# KiCad board d4_small_pcb_panel.kicad_pcb (continued)
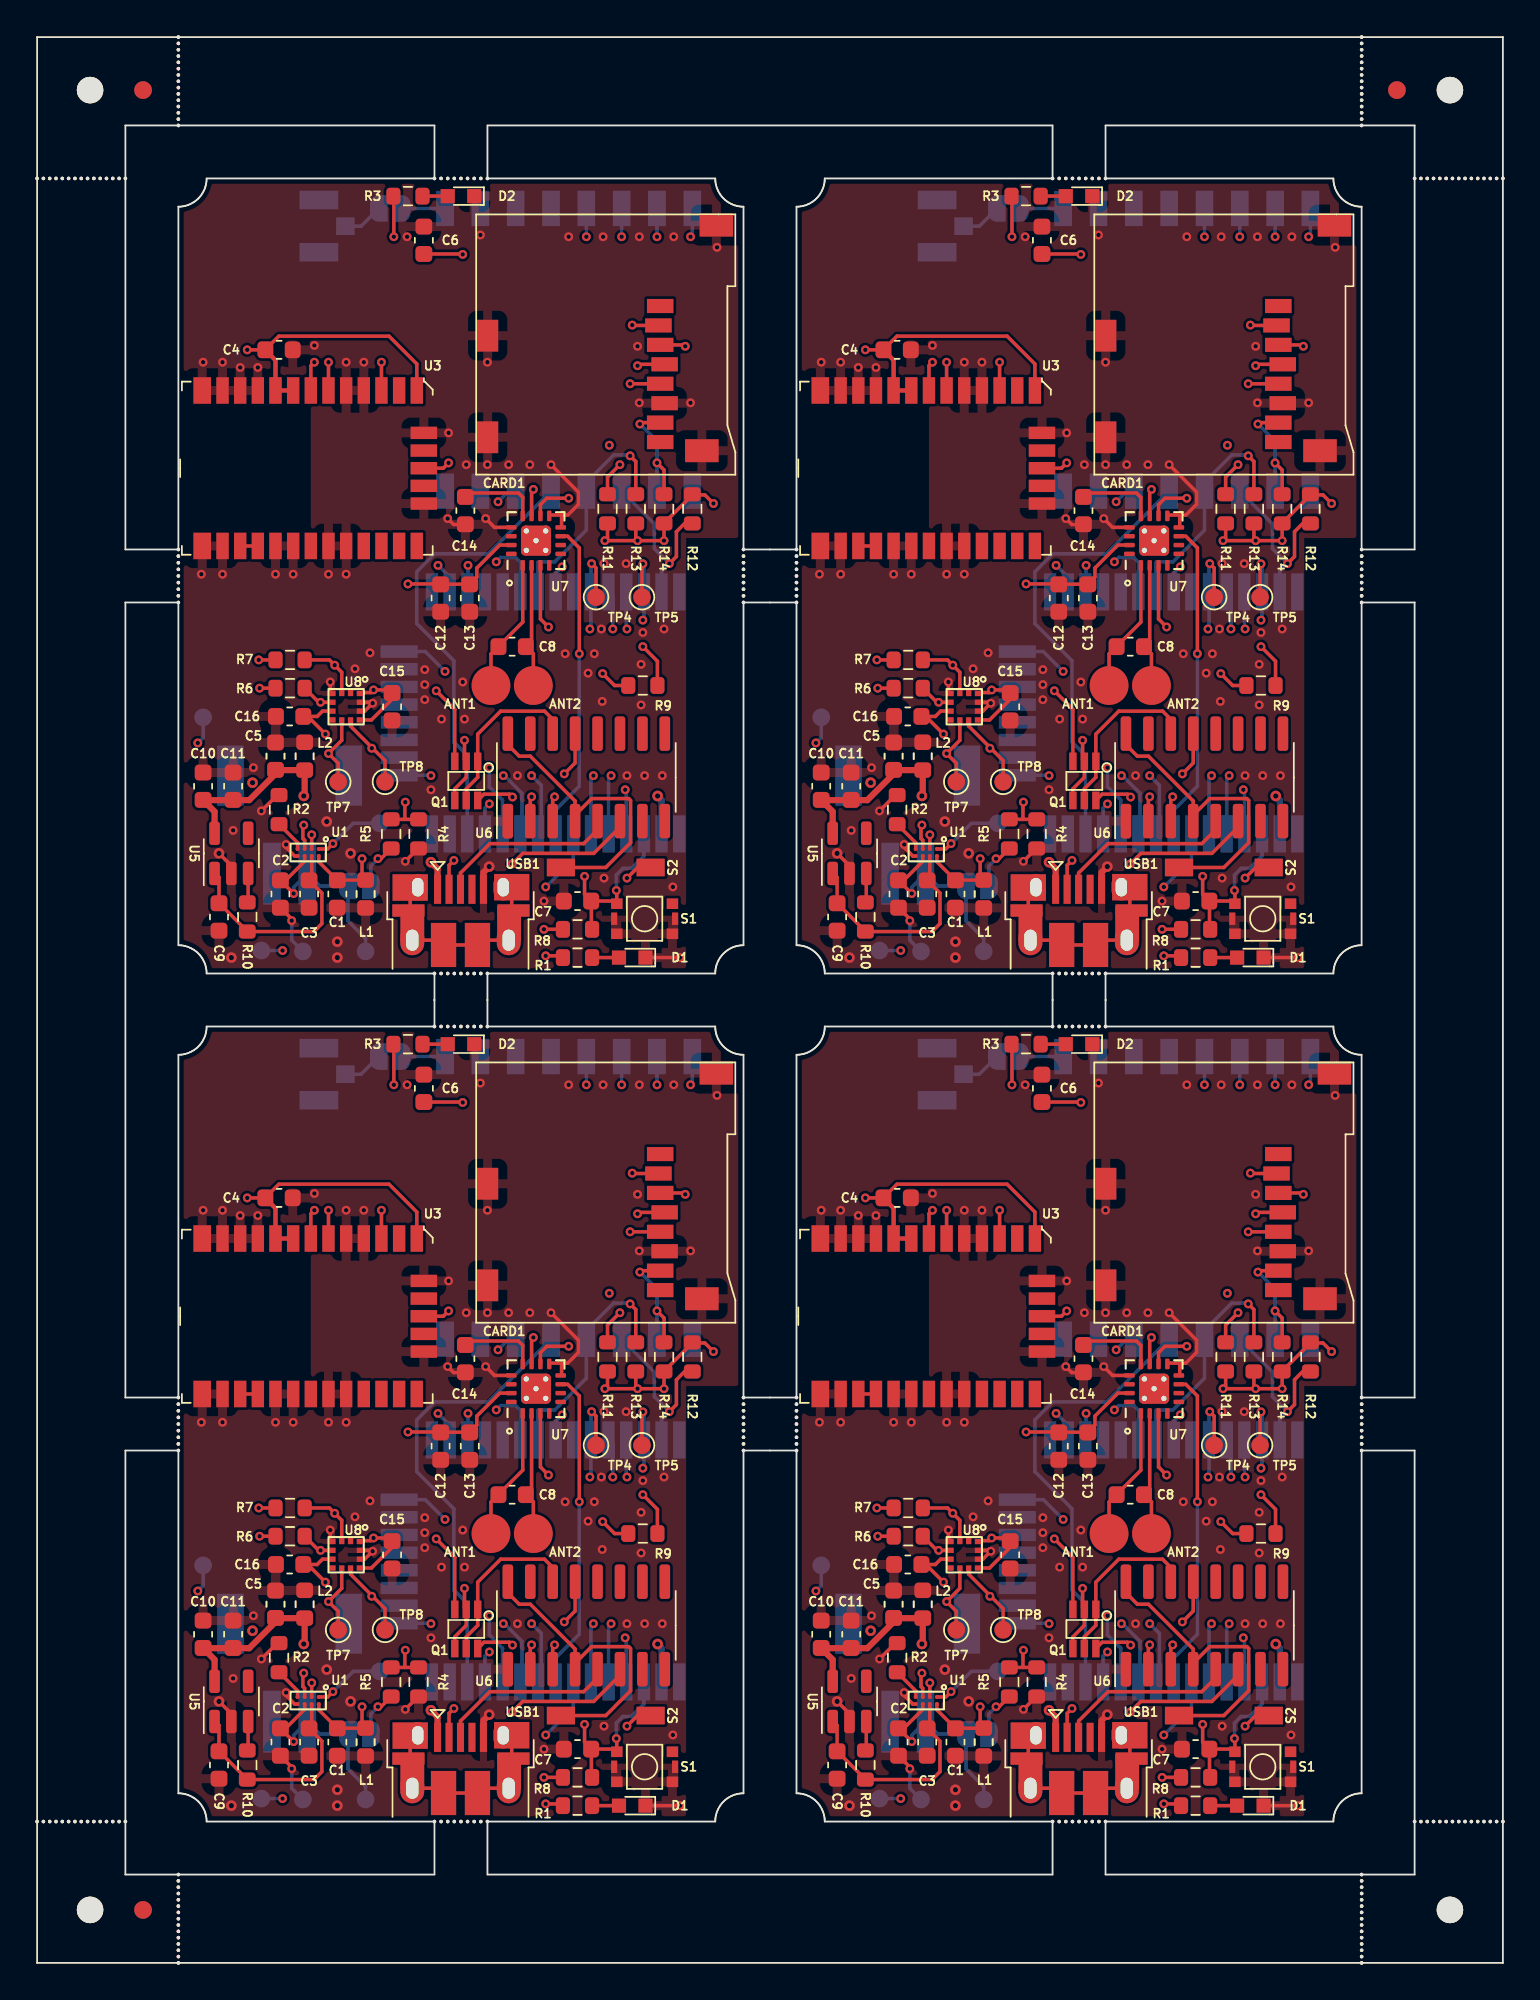
[diagram p0: board, top side]
## Routing (per net, layer and track width the routed paths; a pad name or vN(x,y) marks a point on that pad's centre or on a via; arc(x,y) is an arc through that point) (continued)
  Bottom w0.2: v1(22.3,19.2) 22.28,19.22 U2#4.16 ; U4#2.14 v1(33.1,49.7)
Board_2-14: length 25.5
  Bottom w0.2: U4#2.5 25.55,31.75 22.51,31.75 21.5,30.74 21.5,27.8 23.6,25.7 23.6,21.09 24.36,20.33 U2#4.13
Board_2-15: length 13.6
  Top w0.2: v1(28.96,27.61) 28.5,28.07 28.5,31.05
  SIG_PWR2 w0.2: v1(23.1,25.1) 23.5,25.1 26.01,27.61 v1(28.96,27.61)
  Bottom w0.2: v1(23.1,25.1) 21.98,26.22 U2#4.23
Board_2-18: length 19.1
  Top w0.2: CARD1#3.5 v1(33.58,41.38) ; 33.9,35.09 33.9,36.98 v1(33.58,37.3)
  SIG_PWR2 w0.2: v1(33.58,37.3) v1(33.58,41.38)
  Bottom w0.2: v1(33.58,37.3) 33.53,37.35 32.65,37.35 31.1,35.8 U4#2.4 31.1,33.09 29.31,31.3 28.4,31.3 28.36,31.26 U2#4.30
Board_2-19: length 18.8
  Top w0.2: v1(35.1,36.9) 35.5,36.5 35.5,35.09 ; CARD1#3.7 34.21,39.18 v1(34.13,39.1)
  SIG_PWR2 w0.2: v1(29.73,31.02) 29.73,31.73 34.13,36.13 v1(34.13,39.1)
  Bottom w0.2: v1(29.73,31.02) 29.36,30.64 U2#4.31 ; v1(34.13,39.1) 35.1,38.13 U4#2.2
Board_2-23: length 24.2
  Top w0.2: v1(36.7,43.5) 36.62,43.58 CARD1#3.3 ; 37.1,33.51 36.71,33.51 36.2,33 36.2,31.6 v1(35.8,31.2)
  SIG_PWR2 w0.2: v1(36.7,43.5) 36.5,43.3 36.5,31.9 v1(35.8,31.2)
  Bottom w0.2: U2#4.37 35.36,30.76 v1(35.8,31.2) 34.95,32.05 34.95,33.45 U4#2.3
Board_2-27: length 12.8
  Top w0.2: 29.81,8.9 29.71,9 v1(28.8,9)
  SIG_PWR1 w0.2: v1(28.8,9) 28.15,9.65 28.15,15.06 v1(25.61,17.6)
  Bottom w0.2: v1(25.61,17.6) 25.36,17.35 U2#4.12
Board_2-32: length 18
  Top w0.2: v1(30.7,26.1) 30.7,32.09 30.04,32.75 29.7,32.75
  Bottom w0.2: v1(30.7,26.1) 30.7,18.6 29.36,17.26 U2#4.8
Board_2-33: length 39.1
  SIG_PWR2 w0.2: v1(28,19.2) 28,25.08 32.8,29.88 32.8,33.1 35.65,35.95 35.65,49.15 v1(35.1,49.7)
  Bottom w0.2: U4#2.15 v1(35.1,49.7) ; U2#4.9 28.55,16.09 28.55,18.65 v1(28,19.2)
Board_2-34: length 30.1
  Top w0.2: v1(34.3,26.5) 35.12,25.67 R9#3.2
  SIG_PWR1 w0.2: v1(31.5,19.2) 31.5,23.7 v1(34.3,26.5) 34.85,27.05 34.85,28.25 32.9,30.2 28.67,30.2 26.1,32.77 v1(26.1,34.7)
  Bottom w0.2: U2#4.6 31.36,19.06 v1(31.5,19.2) ; v1(26.1,34.7) 26.7,35.3 U4#2.6
Board_2-35: length 16.2
  Top w0.2: 20.83,16.72 21.6,16.72 ; 20.83,16.72 20.83,17.67 v1(20.85,17.7) ; 20.83,16.72 20.05,16.72
  SIG_PWR2 w0.2: v1(28.8,12.9) 28.8,13.08 24.18,17.7 v1(20.85,17.7)
  Bottom w0.2: v1(28.8,12.9) 30.36,14.46 U2#4.7
Board_2-36: length 24.6
  Top w0.2: v1(16.75,15.35) 16.45,15.05 U1.1
  SIG_PWR1 w0.2: v1(16.75,15.35) 22.58,15.35 25.83,18.6 33.1,18.6 v1(33.3,18.4)
  Bottom w0.2: U2#4.4 33.36,18.34 v1(33.3,18.4) ; v1(16.75,15.35) 17.9,16.5 TP9#4.1
Board_2-39: length 37.4
  SIG_PWR2 w0.2: v1(37,49.7) 36.1,48.8 36.1,35.8 34.95,34.65 34.95,25.95 35,25.9 35,21.7 v1(32.5,19.2)
  Bottom w0.2: U2#4.5 32.36,19.06 v1(32.5,19.2) ; U4#2.16 37.1,49.8 v1(37,49.7)
Board_2-+3.3V: length 11.2
  Top w0.2: C6#2.2 24.07,48.72 v1(24.1,48.7)
  SIG_PWR1 w0.2: v1(24.1,48.7) 30.1,48.7 v1(31.1,49.7)
  Bottom w0.2: U4#2.13 v1(31.1,49.7)
Board_2-+3V3: length 62.4
  Top w0.2: v1(11.9,43.3) 12.91,43.3 13.69,44.07 19.93,44.07 21.5,42.5 U3#3.1 ; 32.3,33.51 32.3,32.65 v1(32.15,32.5) v1(34,32.5) ; v1(12.6,24.15) R6#2.1 ; v1(34,32.5) 33.9,32.6 33.9,33.51 ; v1(34,32.5) v1(35.5,32.5) 35.5,33.51 35.53,33.51 37.1,35.09 37.81,35.09 v1(38.3,34.6) ; v1(21,30.05) 22.84,30.05 22.85,30.04 24.5,30.04 24.9,30.44 24.9,30.95 26.2,32.25 26.8,32.25 ; v1(32.03,24.97) 32.7,24.3 R9#3.1 ; v1(28.7,10.5) 29.81,10.5 ; S2#2.2 34,14 v1(33.4,13.4) ; 18.4,22.35 18.93,22.35 20.1,23.52 20.1,23.89 19.94,24.05 v1(19.05,24.05) 18.9,23.9 18.45,23.9 18.4,23.85 ; v1(12.55,25.75) R7.1 ; CARD1#3.4 34.08,42.48 v1(34,42.4) ; v1(16.33,21.55) 15.33,22.55 C16#2.1 15.86,22.55 16.16,22.85 16.6,22.85
  Top w0.25: U3#3.8 U3#3.9 13.5,42.71 12.91,43.3
  Top w0.35: v2(15.1,18.05) 15.15,18.1 L2#2.1 13.51,19.51 C5.1 13.5,19.3 12.01,17.81 9.4,17.81 10.05,17.16 10.05,15.9
  Bottom w0.2: TP3.1 9.4,21.35 v1(9.1,21.05)
  Bottom w0.35: v2(35.14,18.05) 35.36,17.82 U2#4.2
  vias: v2(12.2,18.8)
Board_2-+5V: length 7.8
  Top w0.2: 17.17,13.28 C1#3.2 ; C1#3.2 17.01,13.29 L1#2.1 18.4,13.49 v1(18.4,14.5) ; C1#3.2 15.95,14.33 U1.5
  Top w0.35: v2(22.3,14.3) 22.68,13.92 USB1.1
  Bottom w0.2: v1(13.9,9.3) TP2.1
Board_2-+BATT: length 11.4
  Top w0.2: U1.7 15.15,14.35 14.08,13.28 C2#3.2 ; v1(14.53,12.53) C2#3.2 ; C2#3.2 13.78,13.31
  Bottom w0.2: v1(14.53,12.53) 14.53,12.88 J1#2.1 16,12.95 JP1#4.1 17.6,10.98 18.6,9.98 TP6#2.1
Board_2-ACC_INT1: length 18.2
  Top w0.2: 17.25,22.2 17.25,21.2 v1(16.5,20.45) 17.05,19.9 TP7#2.1
  SIG_PWR1 w0.2: v1(26.4,19.2) 26.3,19.1 24.25,19.1 23.3,20.05 16.9,20.05 v1(16.5,20.45)
  Bottom w0.2: v1(26.4,19.2) 26.46,19.2 27.45,18.21 27.45,15.99 U2#4.10
Board_2-ACC_INT2: length 15.4
  Top w0.2: 19.7,18.8 19.7,20.05 17.75,22 17.75,22.2
  SIG_PWR1 w0.2: v1(18.95,20.75) 23.45,20.75 24.55,19.65 v1(25.61,19.65)
  Bottom w0.2: v1(25.61,19.65) 25.61,18.56 26.36,17.81 U2#4.11
Board_2-ANT: length 2.4
  Bottom w0.2: U4#2.9 JP2.1
Board_2-ANT1: length 7.5
  Top w0.2: ANT1#2.1 25.7,26.09 27.5,27.89 27.5,31.05
Board_2-ANT2: length 7.1
  Top w0.2: ANT2#2.1 28.1,26.09 27.69,26.5 28,26.81 28,31.05
Board_2-D+: length 10.2
  Top w0.2: USB1.3 23.97,13.69 25.64,15.35 30.95,15.35 31.74,16.14 31.74,16.62
Board_2-D-: length 12.6
  Top w0.2: USB1.2 23.32,14.12 v1(23.6,14.4) ; U6#3.6 33,16.28 31.52,14.8 27.5,14.8 v1(26.9,14.2)
  SIG_PWR1 w0.2: v1(26.9,14.2) 26.5,14.6 23.8,14.6 v1(23.6,14.4)
Board_2-DTR: length 12.7
  Top w0.2: v1(24.2,21.2) 24.2,20.11 24.3,20 24.3,19.1 23.65,18.45 Q1.4 ; v1(29.85,19.3) 30.47,19.92 30.47,21.58
  SIG_PWR1 w0.2: v1(24.2,21.2) 25.2,20.2 28.95,20.2 v1(29.85,19.3)
Board_2-GND: length 21.5
  Top w0.2: R2#3.2 13.6,18.1 v1(12.7,17.2) ; v1(20.85,14.35) 21.57,15.08 R4#4.2 ; v1(14.1,15.3) 14.1,15.13 14.58,14.65 U1.8 ; 18.4,23.35 18.95,23.35 v1(19,23.3) 18.55,22.85 18.4,22.85 ; 26.8,33.25 25.9,33.25 v1(25.4,33.75) ; 16.6,23.85 v1(16.6,24.5) ; 24.25,33.41 23.59,33.41 v1(23.25,33.75) ; 11,13.7 11,14.1 v2(10.3,14.8) ; C2#3.1 14.42,11.08 v1(14.42,10.99) ; v1(36.4,8.9) D1#4.1 ; 29,33.95 29.71,33.95 ; 29.71,33.95 30.05,33.95 30.65,34.55 30.65,35.25 v1(29.1,36.8) ; 29.71,33.95 29.7,33.94 29.7,33.25
  Top w0.35: v2(25.6,14.05) 25.28,13.73 USB1.5
  Bottom w0.2: v1(14.42,10.99) 14.42,9.88 TP1.1
  vias: v1(9.3,30.6) v1(9.4,42.6) v1(10.5,42.6) v1(10.5,30.6) v1(11.1,16.1) v1(11.5,42.3) v1(12.25,19.65) v1(12.5,42.3) v1(13.5,30.6) v1(14.5,30.6) v1(15.7,43.55) v1(16.5,30.6) v1(17.5,42.6) v1(17.5,30.6) v1(18,25.25) v1(18.5,42.6) v1(18.85,26.15) v1(20.95,49.7) v1(21.95,25.2) v1(21.95,24.35) v1(21.95,23.5) v1(22.3,18.4) v1(22.9,22.4) v1(23.3,38.6) v1(24.1,24.5) v1(24.2,22.4) v1(24.3,36.8) v1(25.1,49.8) v1(25.5,42.6) v1(25.5,36.8) v1(26.7,36.8) v1(27.2,19.2) v1(27.9,36.8) v1(28.7,12.1) v1(29.9,26.1) v1(30.1,49.7) v1(31.2,25) v1(31.55,26.1) v1(31.95,27.5) v1(32,23.4) v1(32.05,49.7) v1(32.1,31.2) v1(32.1,13.4) v1(33.35,31.2) v1(33.4,19.2) v1(34,43.5) v1(34.1,49.7) v1(34.1,40.3) v1(34.2,25.5) v1(34.2,23.2) v1(34.3,27.3) v1(34.4,19.2) v1(35.4,19.2) v1(35.5,27.5) v1(36,12.9) v1(36.05,49.7) v1(37,40.3) v1(38.5,49.1) v2(11,8.9) v2(16.4,16.6) v2(17,9.8) v2(17,8.9) v2(17.75,14.8)
Board_2-Net-(D1-A): length 1.6
  Top w0.2: 31.39,8.9 D1#4.2
Board_2-Net-(D2-A): length 1.5
  Top w0.2: 21.79,52 D2#3.2
Board_2-Net-(JP1-B): length 2.7
  Top w0.2: R5#3.1 19.47,14.5 v1(19.3,14.5)
  Bottom w0.2: JP1#4.2 18.9,14.1 v1(19.3,14.5)
Board_2-Net-(JP2-B): length 2.3
  Bottom w0.2: J2#2.2 18.35,50.3 JP2.2
Board_2-Net-(U1-TS/MR): length 1.8
  Top w0.2: R2#3.1 14.75,15.4 U1.4
Board_2-Net-(U3-RF_IN): length 1
  Top w0.2: U3#3.16 U3#3.17
Board_2-Net-(U3-TIMEPULSE): length 21.2
  Top w0.2: v1(20.2,49.7) 20.2,51.99 ; v1(23.3,36.9) 23,36.6 U3#3.29
  SIG_PWR2 w0.2: v1(20.2,49.7) 27.3,42.6 27.3,40.9 v1(23.3,36.9)
Board_2-Net-(U5-EN): length 1.7
  Top w0.2: 11.9,11.99 11.95,12.04 11.95,13.7
Board_2-Net-(U6-V3): length 17.7
  Top w0.2: S2#2.1 32.2,14 33.6,15.4 33.6,17.8 33.5,17.9 31.4,17.9 30.47,16.97 U6#3.4 30.47,17.77 27.93,20.3 27.3,20.3 26.66,20.94 26.66,21.58
Board_2-Net-(U7-VCORE): length 4.4
  Top w0.2: 24.25,34.99 24.46,35.2 27.25,35.2 27.5,34.95 27.5,33.95
Board_2-RESET: length 18.1
  Top w0.2: 32.82,11.95 32.82,12.67 v1(32.8,12.7) ; 32.82,11.95 32.68,12.1 31.39,12.1 ; 32.82,11.95 32.8,11.97 ; v1(31,13.5) 31,12.49 31.39,12.1 ; 31.39,12.1 31.39,10.5 ; Q1.6 25.3,18.15 26.76,18.15 v1(26.92,17.99)
  SIG_PWR2 w0.2: v1(26.92,17.99) 26.92,17.38 30.8,13.5 v1(31,13.5)
  Bottom w0.2: U2#4.3 34.36,14.65 33.66,13.95 33.17,13.95 32.8,13.58 v1(32.8,12.7)
Board_2-RTS: length 9.8
  Top w0.2: Q1.5 24.3,18.45 24.95,19.1 24.95,21.55 26.25,22.85 28.73,22.85 29.19,22.39 29.19,21.58
Board_2-RX0: length 15
  Top w0.2: U6#3.2 27.93,17.92 v1(28,18)
  SIG_PWR2 w0.2: v1(32.6,27.5) 32.6,23 28,18.4 v1(28,18)
  Bottom w0.2: U2#4.34 32.6,29.36 v1(32.6,27.5)
Board_2-SCL: length 82.9
  Top w0.2: U1.2 v1(15.55,15.85) ; 17.25,24 17.25,25.05 v1(16.85,25.45) 16.55,25.75 R7.2 ; TP5#3.1 34.25,31.14 v1(34.3,31.19) ; 28.5,33.95 28.5,34.54 28.86,34.9 v1(30.1,34.9) ; U3#3.6 v1(16.5,42.6)
  SIG_PWR1 w0.2: v1(15.55,15.85) 14.94,15.85 12.9,17.89 12.9,21.51 18.34,26.95 30.04,26.95 31.09,28 v1(34.3,28) ; v1(30.1,34.9) 30.9,34.1 30.9,30.99 31.24,30.65 33.76,30.65 v1(34.3,31.19) 31.8,33.69 31.8,42.27 28.07,46 20,46 16.6,42.6 v1(16.5,42.6)
  Bottom w0.2: v1(34.3,31.19) 34.36,31.13 U2#4.36 34.36,28.06 v1(34.3,28)
Board_2-SDA: length 67.7
  Top w0.2: 16.6,23.35 15.95,23.35 R6#2.2 ; TP4#2.1 31.65,30.95 v1(31.4,31.2) ; v1(19.5,42.6) U3#3.3 ; U1.3 15.15,15.54 15.05,15.64 15.05,16.35 v1(15.1,16.4) ; v1(28.1,35.4) 28,35.3 28,33.95
  SIG_PWR1 w0.2: 31.4,34.95 31.4,42.1 27.9,45.6 22.6,45.6 19.6,42.6 v1(19.5,42.6) ; 31.4,34.95 30.95,35.4 v1(28.1,35.4) ; 31.4,34.95 v1(31.4,31.2) ; v1(15.1,16.4) 13.5,18 13.5,19.45 15.7,21.65 ; v1(16.05,23.35) 16.05,22 15.7,21.65 ; 15.7,21.65 20.65,26.6 30.4,26.6 v1(31.3,27.5)
  Bottom w0.2: v1(31.4,31.2) 31.36,31.16 U2#4.33 31.36,27.56 v1(31.3,27.5)
Board_2-TX0: length 14.7
  Top w0.2: U6#3.3 29.19,17.89 v1(29.3,18)
  SIG_PWR2 w0.2: v1(33.4,27.5) 33.4,22.1 v1(29.3,18)
  Bottom w0.2: U2#4.35 33.36,27.54 v1(33.4,27.5)
Board_2-unconnected-(USB1-Shield-Pad6): length 8.4
  Top w0.2: USB1.6 21.12,11.67 USB1.6 ; USB1.6 22.75,9.89 USB1.6 USB1.6 25.21,9.89 USB1.6 ; USB1.6 26.88,11.67 USB1.6
Board_2-VCC: length 12.7
  Top w0.2: R10#3.2 15.67,10.38 16.12,10.83 16.12,12.55 C3#4.1 15.55,13.42 U1.6 ; 11.9,10.41 11.91,10.4 ; 11.88,10.41 10.3,11.99 10.3,13.45 10.05,13.7
Board_3-0: length 13.3
  Top w0.2: 58.65,20 58.65,22.95 v1(57.6,24)
  SIG_PWR2 w0.2: v1(57.7,31.1) 57.6,31 v1(57.6,24)
  Bottom w0.2: v1(57.7,31.1) 58.36,30.44 U2#2.25
Board_3-4: length 24.4
  Top w0.2: 67.3,35.09 67.3,36.1 v1(68,36.8) ; v1(68.7,44.7) 68.72,44.68 CARD1#2.2
  SIG_PWR2 w0.2: v1(59.4,31.1) 61.9,33.6 65.13,33.6 68.03,36.5 68.03,44.03 v1(68.7,44.7)
  Bottom w0.2: U2#2.26 59.4,29.64 v1(59.4,31.1)
Board_3-5: length 44.6
  Top w0.2: v1(50.7,42.6) 50.5,42.4 U3#4.7
  SIG_PWR1 w0.2: v1(50.7,42.6) 54.5,46.4 63.23,46.4 67.4,42.23 v1(67.4,37.9)
  SIG_PWR2 w0.2: v1(67.4,37.9) 67.4,36.43 64.97,34 61.4,34 58.8,31.4 58.8,30.92 59.17,30.55 60.25,30.55 v1(61,31.3)
  Bottom w0.2: U2#2.29 62.36,31.29 62.1,31.55 61.25,31.55 v1(61,31.3)
Board_3-13: length 41.2
  SIG_PWR2 w0.2: v1(57.3,19.2) 57.3,22.88 58.42,24 61.05,24 64.7,27.65 64.7,30.21 66.37,31.88 66.37,32.77 69.55,35.95 69.55,38.74 69.7,38.89 69.7,48.1 v1(68.1,49.7)
  Bottom w0.2: v1(57.3,19.2) 57.28,19.22 U2#2.16 ; U4#3.14 v1(68.1,49.7)
Board_3-14: length 25.5
  Bottom w0.2: U4#3.5 60.55,31.75 57.51,31.75 56.5,30.74 56.5,27.8 58.6,25.7 58.6,21.09 59.36,20.33 U2#2.13
Board_3-15: length 13.6
  Top w0.2: 63.5,31.05 63.5,28.07 v1(63.96,27.61)
  SIG_PWR2 w0.2: v1(58.1,25.1) 58.5,25.1 61.01,27.61 v1(63.96,27.61)
  Bottom w0.2: v1(58.1,25.1) 56.98,26.22 U2#2.23
Board_3-18: length 19.1
  Top w0.2: CARD1#2.5 v1(68.58,41.38) ; 68.9,35.09 68.9,36.98 v1(68.58,37.3)
  SIG_PWR2 w0.2: v1(68.58,37.3) v1(68.58,41.38)
  Bottom w0.2: v1(68.58,37.3) 68.53,37.35 67.65,37.35 66.1,35.8 U4#3.4 66.1,33.09 64.31,31.3 63.4,31.3 63.36,31.26 U2#2.30
Board_3-19: length 18.8
  Top w0.2: v1(70.1,36.9) 70.5,36.5 70.5,35.09 ; v1(69.13,39.1) 69.21,39.18 CARD1#2.7
  SIG_PWR2 w0.2: v1(64.73,31.02) 64.73,31.73 69.13,36.13 v1(69.13,39.1)
  Bottom w0.2: v1(64.73,31.02) 64.36,30.64 U2#2.31 ; U4#3.2 70.1,38.13 v1(69.13,39.1)
Board_3-23: length 24.2
  Top w0.2: v1(70.8,31.2) 71.2,31.6 71.2,33 71.71,33.51 72.1,33.51 ; v1(71.7,43.5) 71.62,43.58 CARD1#2.3
  SIG_PWR2 w0.2: v1(71.7,43.5) 71.5,43.3 71.5,31.9 v1(70.8,31.2)
  Bottom w0.2: U4#3.3 69.95,33.45 69.95,32.05 v1(70.8,31.2) 70.36,30.76 U2#2.37
Board_3-27: length 12.8
  Top w0.2: v1(63.8,9) 64.71,9 64.81,8.9
  SIG_PWR1 w0.2: v1(63.8,9) 63.15,9.65 63.15,15.06 v1(60.61,17.6)
  Bottom w0.2: v1(60.61,17.6) 60.36,17.35 U2#2.12
Board_3-32: length 18
  Top w0.2: v1(65.7,26.1) 65.7,32.09 65.04,32.75 64.7,32.75
  Bottom w0.2: U2#2.8 64.36,17.26 65.7,18.6 v1(65.7,26.1)
Board_3-33: length 39.1
  SIG_PWR2 w0.2: v1(63,19.2) 63,25.08 67.8,29.88 67.8,33.1 70.65,35.95 70.65,49.15 v1(70.1,49.7)
  Bottom w0.2: U4#3.15 v1(70.1,49.7) ; v1(63,19.2) 63.55,18.65 63.55,16.09 U2#2.9
Board_3-34: length 30.1
  Top w0.2: R9.2 70.12,25.67 v1(69.3,26.5)
  SIG_PWR1 w0.2: v1(66.5,19.2) 66.5,23.7 v1(69.3,26.5) 69.85,27.05 69.85,28.25 67.9,30.2 63.67,30.2 61.1,32.77 v1(61.1,34.7)
  Bottom w0.2: U2#2.6 66.36,19.06 v1(66.5,19.2) ; U4#3.6 61.7,35.3 v1(61.1,34.7)
Board_3-35: length 16.2
  Top w0.2: 55.82,16.72 56.6,16.72 ; 55.82,16.72 55.05,16.72 ; 55.82,16.72 55.82,17.67 v1(55.85,17.7)
  SIG_PWR2 w0.2: v1(55.85,17.7) 59.18,17.7 63.8,13.08 v1(63.8,12.9)
  Bottom w0.2: U2#2.7 65.36,14.46 v1(63.8,12.9)
Board_3-36: length 24.6
  Top w0.2: v1(51.75,15.35) 51.45,15.05 U1#4.1
  SIG_PWR1 w0.2: v1(68.3,18.4) 68.1,18.6 60.83,18.6 57.58,15.35 v1(51.75,15.35)
  Bottom w0.2: v1(68.3,18.4) 68.36,18.34 U2#2.4 ; v1(51.75,15.35) 52.9,16.5 TP9#2.1
Board_3-39: length 37.4
  SIG_PWR2 w0.2: v1(67.5,19.2) 70,21.7 70,25.9 69.95,25.95 69.95,34.65 71.1,35.8 71.1,48.8 v1(72,49.7)
  Bottom w0.2: U4#3.16 72.1,49.8 v1(72,49.7) ; v1(67.5,19.2) 67.36,19.06 U2#2.5
Board_3-+3.3V: length 11.2
  Top w0.2: C6#4.2 59.07,48.72 v1(59.1,48.7)
  SIG_PWR1 w0.2: v1(59.1,48.7) 65.1,48.7 v1(66.1,49.7)
  Bottom w0.2: U4#3.13 v1(66.1,49.7)
Board_3-+3V3: length 62.4
  Top w0.2: v1(68.4,13.4) 69,14 S2.2 ; v1(63.7,10.5) 64.81,10.5 ; 53.4,23.85 53.45,23.9 53.9,23.9 v1(54.05,24.05) 54.94,24.05 55.1,23.89 55.1,23.52 53.93,22.35 53.4,22.35 ; 51.6,22.85 51.16,22.85 50.86,22.55 C16#3.1 50.32,22.55 v1(51.32,21.55) ; R9.1 67.7,24.3 v1(67.03,24.97) ; v1(47.6,24.15) R6#3.1 ; v1(73.3,34.6) 72.81,35.09 72.1,35.09 70.53,33.51 70.5,33.51 v1(70.5,32.5) v1(69,32.5) ; v1(47.55,25.75) R7#3.1 ; U3#4.1 56.5,42.5 54.93,44.07 48.69,44.07 47.91,43.3 v1(46.9,43.3) ; v1(69,42.4) 69.08,42.48 CARD1#2.4 ; v1(69,32.5) v1(67.15,32.5) 67.3,32.65 67.3,33.51 ; v1(69,32.5) 68.9,32.6 68.9,33.51 ; v1(56,30.05) 57.84,30.05 57.85,30.04 59.5,30.04 59.9,30.44 59.9,30.95 61.2,32.25 61.8,32.25
  Top w0.25: 47.91,43.3 48.5,42.71 U3#4.9 U3#4.8
  Top w0.35: 45.05,15.9 45.05,17.16 44.4,17.81 47.01,17.81 48.5,19.3 C5#4.1 48.51,19.51 L2#3.1 50.15,18.1 v2(50.1,18.05)
  Bottom w0.2: v1(44.1,21.05) 44.4,21.35 TP3#4.1
  Bottom w0.35: U2#2.2 70.36,17.82 v2(70.14,18.05)
  vias: v2(47.2,18.8)
Board_3-+5V: length 7.8
  Top w0.2: U1#4.5 50.95,14.33 C1#2.2 ; v1(53.4,14.5) 53.4,13.49 L1#3.1 52.01,13.29 C1#2.2 ; 52.18,13.28 C1#2.2
  Top w0.35: USB1#2.1 57.68,13.92 v2(57.3,14.3)
  Bottom w0.2: v1(48.9,9.3) TP2#2.1
Board_3-+BATT: length 11.4
  Top w0.2: C2#4.2 49.07,13.28 50.15,14.35 U1#4.7 ; C2#4.2 v1(49.53,12.53) ; C2#4.2 48.78,13.31
  Bottom w0.2: TP6#4.1 53.6,9.98 52.6,10.98 JP1#2.1 51,12.95 J1#4.1 49.53,12.88 v1(49.53,12.53)
Board_3-ACC_INT1: length 18.2
  Top w0.2: TP7.1 52.05,19.9 v1(51.5,20.45) 52.25,21.2 52.25,22.2
  SIG_PWR1 w0.2: v1(61.4,19.2) 61.3,19.1 59.25,19.1 58.3,20.05 51.9,20.05 v1(51.5,20.45)
  Bottom w0.2: U2#2.10 62.45,15.99 62.45,18.21 61.46,19.2 v1(61.4,19.2)
Board_3-ACC_INT2: length 15.4
  Top w0.2: 52.75,22.2 52.75,22 54.7,20.05 54.7,18.8
  SIG_PWR1 w0.2: v1(53.95,20.75) 58.45,20.75 59.55,19.65 v1(60.61,19.65)
  Bottom w0.2: v1(60.61,19.65) 60.61,18.56 61.36,17.81 U2#2.11
Board_3-ANT: length 2.4
  Bottom w0.2: U4#3.9 JP2#4.1
Board_3-ANT1: length 7.5
  Top w0.2: ANT1#4.1 60.7,26.09 62.5,27.89 62.5,31.05
Board_3-ANT2: length 7.1
  Top w0.2: 63,31.05 63,26.81 62.69,26.5 63.1,26.09 ANT2.1
Board_3-D+: length 10.2
  Top w0.2: USB1#2.3 58.97,13.69 60.64,15.35 65.95,15.35 66.74,16.14 66.74,16.62
Board_3-D-: length 12.6
  Top w0.2: U6#2.6 68,16.28 66.52,14.8 62.5,14.8 v1(61.9,14.2) ; v1(58.6,14.4) 58.32,14.12 USB1#2.2
  SIG_PWR1 w0.2: v1(61.9,14.2) 61.5,14.6 58.8,14.6 v1(58.6,14.4)
Board_3-DTR: length 12.7
  Top w0.2: Q1#2.4 58.65,18.45 59.3,19.1 59.3,20 59.2,20.11 v1(59.2,21.2) ; 65.47,21.58 65.47,19.92 v1(64.85,19.3)
  SIG_PWR1 w0.2: v1(64.85,19.3) 63.95,20.2 60.2,20.2 v1(59.2,21.2)
Board_3-GND: length 21.5
  Top w0.2: 53.4,23.35 53.95,23.35 v1(54,23.3) 53.55,22.85 53.4,22.85 ; R2#4.2 48.6,18.1 v1(47.7,17.2) ; v1(55.85,14.35) 56.57,15.08 R4#3.2 ; U1#4.8 49.58,14.65 49.1,15.13 v1(49.1,15.3) ; C2#4.1 49.42,11.08 v1(49.42,10.99) ; 64.71,33.95 64.7,33.94 64.7,33.25 ; 64.71,33.95 65.05,33.95 65.65,34.55 65.65,35.25 v1(64.1,36.8) ; 64.71,33.95 64,33.95 ; v2(45.3,14.8) 46,14.1 46,13.7 ; v1(58.25,33.75) 58.59,33.41 59.25,33.41 ; 61.8,33.25 60.9,33.25 v1(60.4,33.75) ; 51.6,23.85 v1(51.6,24.5) ; v1(71.4,8.9) D1#2.1
  Top w0.35: v2(60.6,14.05) 60.28,13.73 USB1#2.5
  Bottom w0.2: TP1#2.1 49.42,9.88 v1(49.42,10.99)
  vias: v1(44.3,30.6) v1(44.4,42.6) v1(45.5,42.6) v1(45.5,30.6) v1(46.1,16.1) v1(46.5,42.3) v1(47.25,19.65) v1(47.5,42.3) v1(48.5,30.6) v1(49.5,30.6) v1(50.7,43.55) v1(51.5,30.6) v1(52.5,42.6) v1(52.5,30.6) v1(53,25.25) v1(53.5,42.6) v1(53.85,26.15) v1(55.95,49.7) v1(56.95,25.2) v1(56.95,24.35) v1(56.95,23.5) v1(57.3,18.4) v1(57.9,22.4) v1(58.3,38.6) v1(59.1,24.5) v1(59.2,22.4) v1(59.3,36.8) v1(60.1,49.8) v1(60.5,42.6) v1(60.5,36.8) v1(61.7,36.8) v1(62.2,19.2) v1(62.9,36.8) v1(63.7,12.1) v1(64.9,26.1) v1(65.1,49.7) v1(66.2,25) v1(66.55,26.1) v1(66.95,27.5) v1(67,23.4) v1(67.05,49.7) v1(67.1,31.2) v1(67.1,13.4) v1(68.35,31.2) v1(68.4,19.2) v1(69,43.5) v1(69.1,49.7) v1(69.1,40.3) v1(69.2,25.5) v1(69.2,23.2) v1(69.3,27.3) v1(69.4,19.2) v1(70.4,19.2) v1(70.5,27.5) v1(71,12.9) v1(71.05,49.7) v1(72,40.3) v1(73.5,49.1) v2(46,8.9) v2(51.4,16.6) v2(52,9.8) v2(52,8.9) v2(52.75,14.8)
Board_3-Net-(D1-A): length 1.6
  Top w0.2: 66.39,8.9 D1#2.2
Board_3-Net-(D2-A): length 1.5
  Top w0.2: 56.79,52 D2.2
Board_3-Net-(JP1-B): length 2.7
  Top w0.2: R5#4.1 54.47,14.5 v1(54.3,14.5)
  Bottom w0.2: v1(54.3,14.5) 53.9,14.1 JP1#2.2
Board_3-Net-(JP2-B): length 2.3
  Bottom w0.2: J2#3.2 53.35,50.3 JP2#4.2
Board_3-Net-(U1-TS/MR): length 1.8
  Top w0.2: R2#4.1 49.75,15.4 U1#4.4
Board_3-Net-(U3-RF_IN): length 1
  Top w0.2: U3#4.16 U3#4.17
Board_3-Net-(U3-TIMEPULSE): length 21.2
  Top w0.2: v1(55.2,49.7) 55.2,51.99 ; v1(58.3,36.9) 58,36.6 U3#4.29
  SIG_PWR2 w0.2: v1(58.3,36.9) 62.3,40.9 62.3,42.6 v1(55.2,49.7)
Board_3-Net-(U5-EN): length 1.7
  Top w0.2: 46.9,11.99 46.95,12.04 46.95,13.7
Board_3-Net-(U6-V3): length 17.7
  Top w0.2: S2.1 67.2,14 68.6,15.4 68.6,17.8 68.5,17.9 66.4,17.9 65.47,16.97 U6#2.4 65.47,17.77 62.93,20.3 62.3,20.3 61.66,20.94 61.66,21.58
Board_3-Net-(U7-VCORE): length 4.4
  Top w0.2: 62.5,33.95 62.5,34.95 62.25,35.2 59.46,35.2 59.25,34.99
Board_3-RESET: length 18.1
  Top w0.2: 67.8,11.97 67.82,11.95 ; 67.82,11.95 67.82,12.67 v1(67.8,12.7) ; 67.82,11.95 67.68,12.1 66.39,12.1 ; 66.39,12.1 66.39,10.5 ; 66.39,12.1 66,12.49 v1(66,13.5) ; v1(61.92,17.99) 61.76,18.15 60.3,18.15 Q1#2.6
  SIG_PWR2 w0.2: v1(61.92,17.99) 61.92,17.38 65.8,13.5 v1(66,13.5)
  Bottom w0.2: U2#2.3 69.36,14.65 68.66,13.95 68.17,13.95 67.8,13.58 v1(67.8,12.7)
Board_3-RTS: length 9.8
  Top w0.2: Q1#2.5 59.3,18.45 59.95,19.1 59.95,21.55 61.25,22.85 63.73,22.85 64.19,22.39 64.19,21.58
Board_3-RX0: length 15
  Top w0.2: U6#2.2 62.93,17.92 v1(63,18)
  SIG_PWR2 w0.2: v1(67.6,27.5) 67.6,23 63,18.4 v1(63,18)
  Bottom w0.2: v1(67.6,27.5) 67.6,29.36 U2#2.34
Board_3-SCL: length 82.9
  Top w0.2: R7#3.2 51.55,25.75 v1(51.85,25.45) 52.25,25.05 52.25,24 ; TP5.1 69.25,31.14 v1(69.3,31.19) ; U3#4.6 v1(51.5,42.6) ; U1#4.2 v1(50.55,15.85) ; 63.5,33.95 63.5,34.54 63.86,34.9 v1(65.1,34.9)
  SIG_PWR1 w0.2: v1(50.55,15.85) 49.94,15.85 47.9,17.89 47.9,21.51 53.34,26.95 65.04,26.95 66.09,28 v1(69.3,28) ; v1(65.1,34.9) 65.9,34.1 65.9,30.99 66.24,30.65 68.76,30.65 v1(69.3,31.19) 66.8,33.69 66.8,42.27 63.07,46 55,46 51.6,42.6 v1(51.5,42.6)
  Bottom w0.2: v1(69.3,31.19) 69.36,31.13 U2#2.36 69.36,28.06 v1(69.3,28)
Board_3-SDA: length 67.7
  Top w0.2: v1(63.1,35.4) 63,35.3 63,33.95 ; v1(66.4,31.2) 66.65,30.95 TP4.1 ; v1(54.5,42.6) U3#4.3 ; U1#4.3 50.15,15.54 50.05,15.64 50.05,16.35 v1(50.1,16.4) ; R6#3.2 50.95,23.35 51.6,23.35
  SIG_PWR1 w0.2: v1(63.1,35.4) 65.95,35.4 66.4,34.95 ; v1(66.3,27.5) 65.4,26.6 55.65,26.6 50.7,21.65 ; 50.7,21.65 48.5,19.45 48.5,18 v1(50.1,16.4) ; 50.7,21.65 51.05,22 v1(51.05,23.35) ; v1(66.4,31.2) 66.4,34.95 ; 66.4,34.95 66.4,42.1 62.9,45.6 57.6,45.6 54.6,42.6 v1(54.5,42.6)
  Bottom w0.2: v1(66.3,27.5) 66.36,27.56 U2#2.33 66.36,31.16 v1(66.4,31.2)
Board_3-TX0: length 14.7
  Top w0.2: U6#2.3 64.19,17.89 v1(64.3,18)
  SIG_PWR2 w0.2: v1(68.4,27.5) 68.4,22.1 v1(64.3,18)
  Bottom w0.2: v1(68.4,27.5) 68.36,27.54 U2#2.35
Board_3-unconnected-(USB1-Shield-Pad6): length 8.4
  Top w0.2: USB1#2.6 61.88,11.67 USB1#2.6 ; USB1#2.6 60.21,9.89 USB1#2.6 USB1#2.6 57.75,9.89 USB1#2.6 ; USB1#2.6 56.12,11.67 USB1#2.6
Board_3-VCC: length 12.7
  Top w0.2: 46.9,10.41 46.91,10.4 ; R10#4.2 50.68,10.38 51.12,10.83 51.12,12.55 C3.1 50.55,13.42 U1#4.6 ; 46.88,10.41 45.3,11.99 45.3,13.45 45.05,13.7

## Copper pours and planes (outline as drawn; the poured copper is in the pictures)
Board_0-+3V3 on SIG_PWR1, SIG_PWR2: 42,55 23.1,55 23.1,63.1 42,63.1
Board_0-+3V3 on SIG_PWR1, SIG_PWR2: 42,62.9 6,62.9 6,103 42,103
Board_0-+5V on SIG_PWR1, SIG_PWR2: 22.9,55 6.9,55 6.9,62.7 22.9,62.7
Board_0-GND on Top: 41.95,55.26 4.55,55.26 4.55,101.26 41.95,101.26
Board_0-GND on Bottom: 41,55 7,55 7,102 41,102
Board_1-+3V3 on SIG_PWR1, SIG_PWR2: 77,55 58.1,55 58.1,63.1 77,63.1
Board_1-+3V3 on SIG_PWR1, SIG_PWR2: 77,62.9 41,62.9 41,103 77,103
Board_1-+5V on SIG_PWR1, SIG_PWR2: 57.9,55 41.9,55 41.9,62.7 57.9,62.7
Board_1-GND on Top: 76.95,55.26 39.55,55.26 39.55,101.26 76.95,101.26
Board_1-GND on Bottom: 76,55 42,55 42,102 76,102
Board_2-+3V3 on SIG_PWR1, SIG_PWR2: 42,14.9 6,14.9 6,55 42,55
Board_2-+3V3 on SIG_PWR1, SIG_PWR2: 42,7 23.1,7 23.1,15.1 42,15.1
Board_2-+5V on SIG_PWR1, SIG_PWR2: 22.9,7 6.9,7 6.9,14.7 22.9,14.7
Board_2-GND on Top: 41.95,7.26 4.55,7.26 4.55,53.26 41.95,53.26
Board_2-GND on Bottom: 41,7 7,7 7,54 41,54
Board_3-+3V3 on SIG_PWR1, SIG_PWR2: 77,14.9 41,14.9 41,55 77,55
Board_3-+3V3 on SIG_PWR1, SIG_PWR2: 77,7 58.1,7 58.1,15.1 77,15.1
Board_3-+5V on SIG_PWR1, SIG_PWR2: 57.9,7 41.9,7 41.9,14.7 57.9,14.7
Board_3-GND on Top: 76.95,7.26 39.55,7.26 39.55,53.26 76.95,53.26
Board_3-GND on Bottom: 76,7 42,7 42,54 76,54

## Text on the board
B.Silkscreen: ANT | GND | 34 | 14 | 3V3 | 18 | 13 | 23 | 33 | 19 | 39 | Voltage / div | unsurv offline / GNSS dev board / v 1.0 / Made in Germany
